# Altium PCB Power Distribution Board Rev6.PcbDoc (part 1 of 2) (continued)
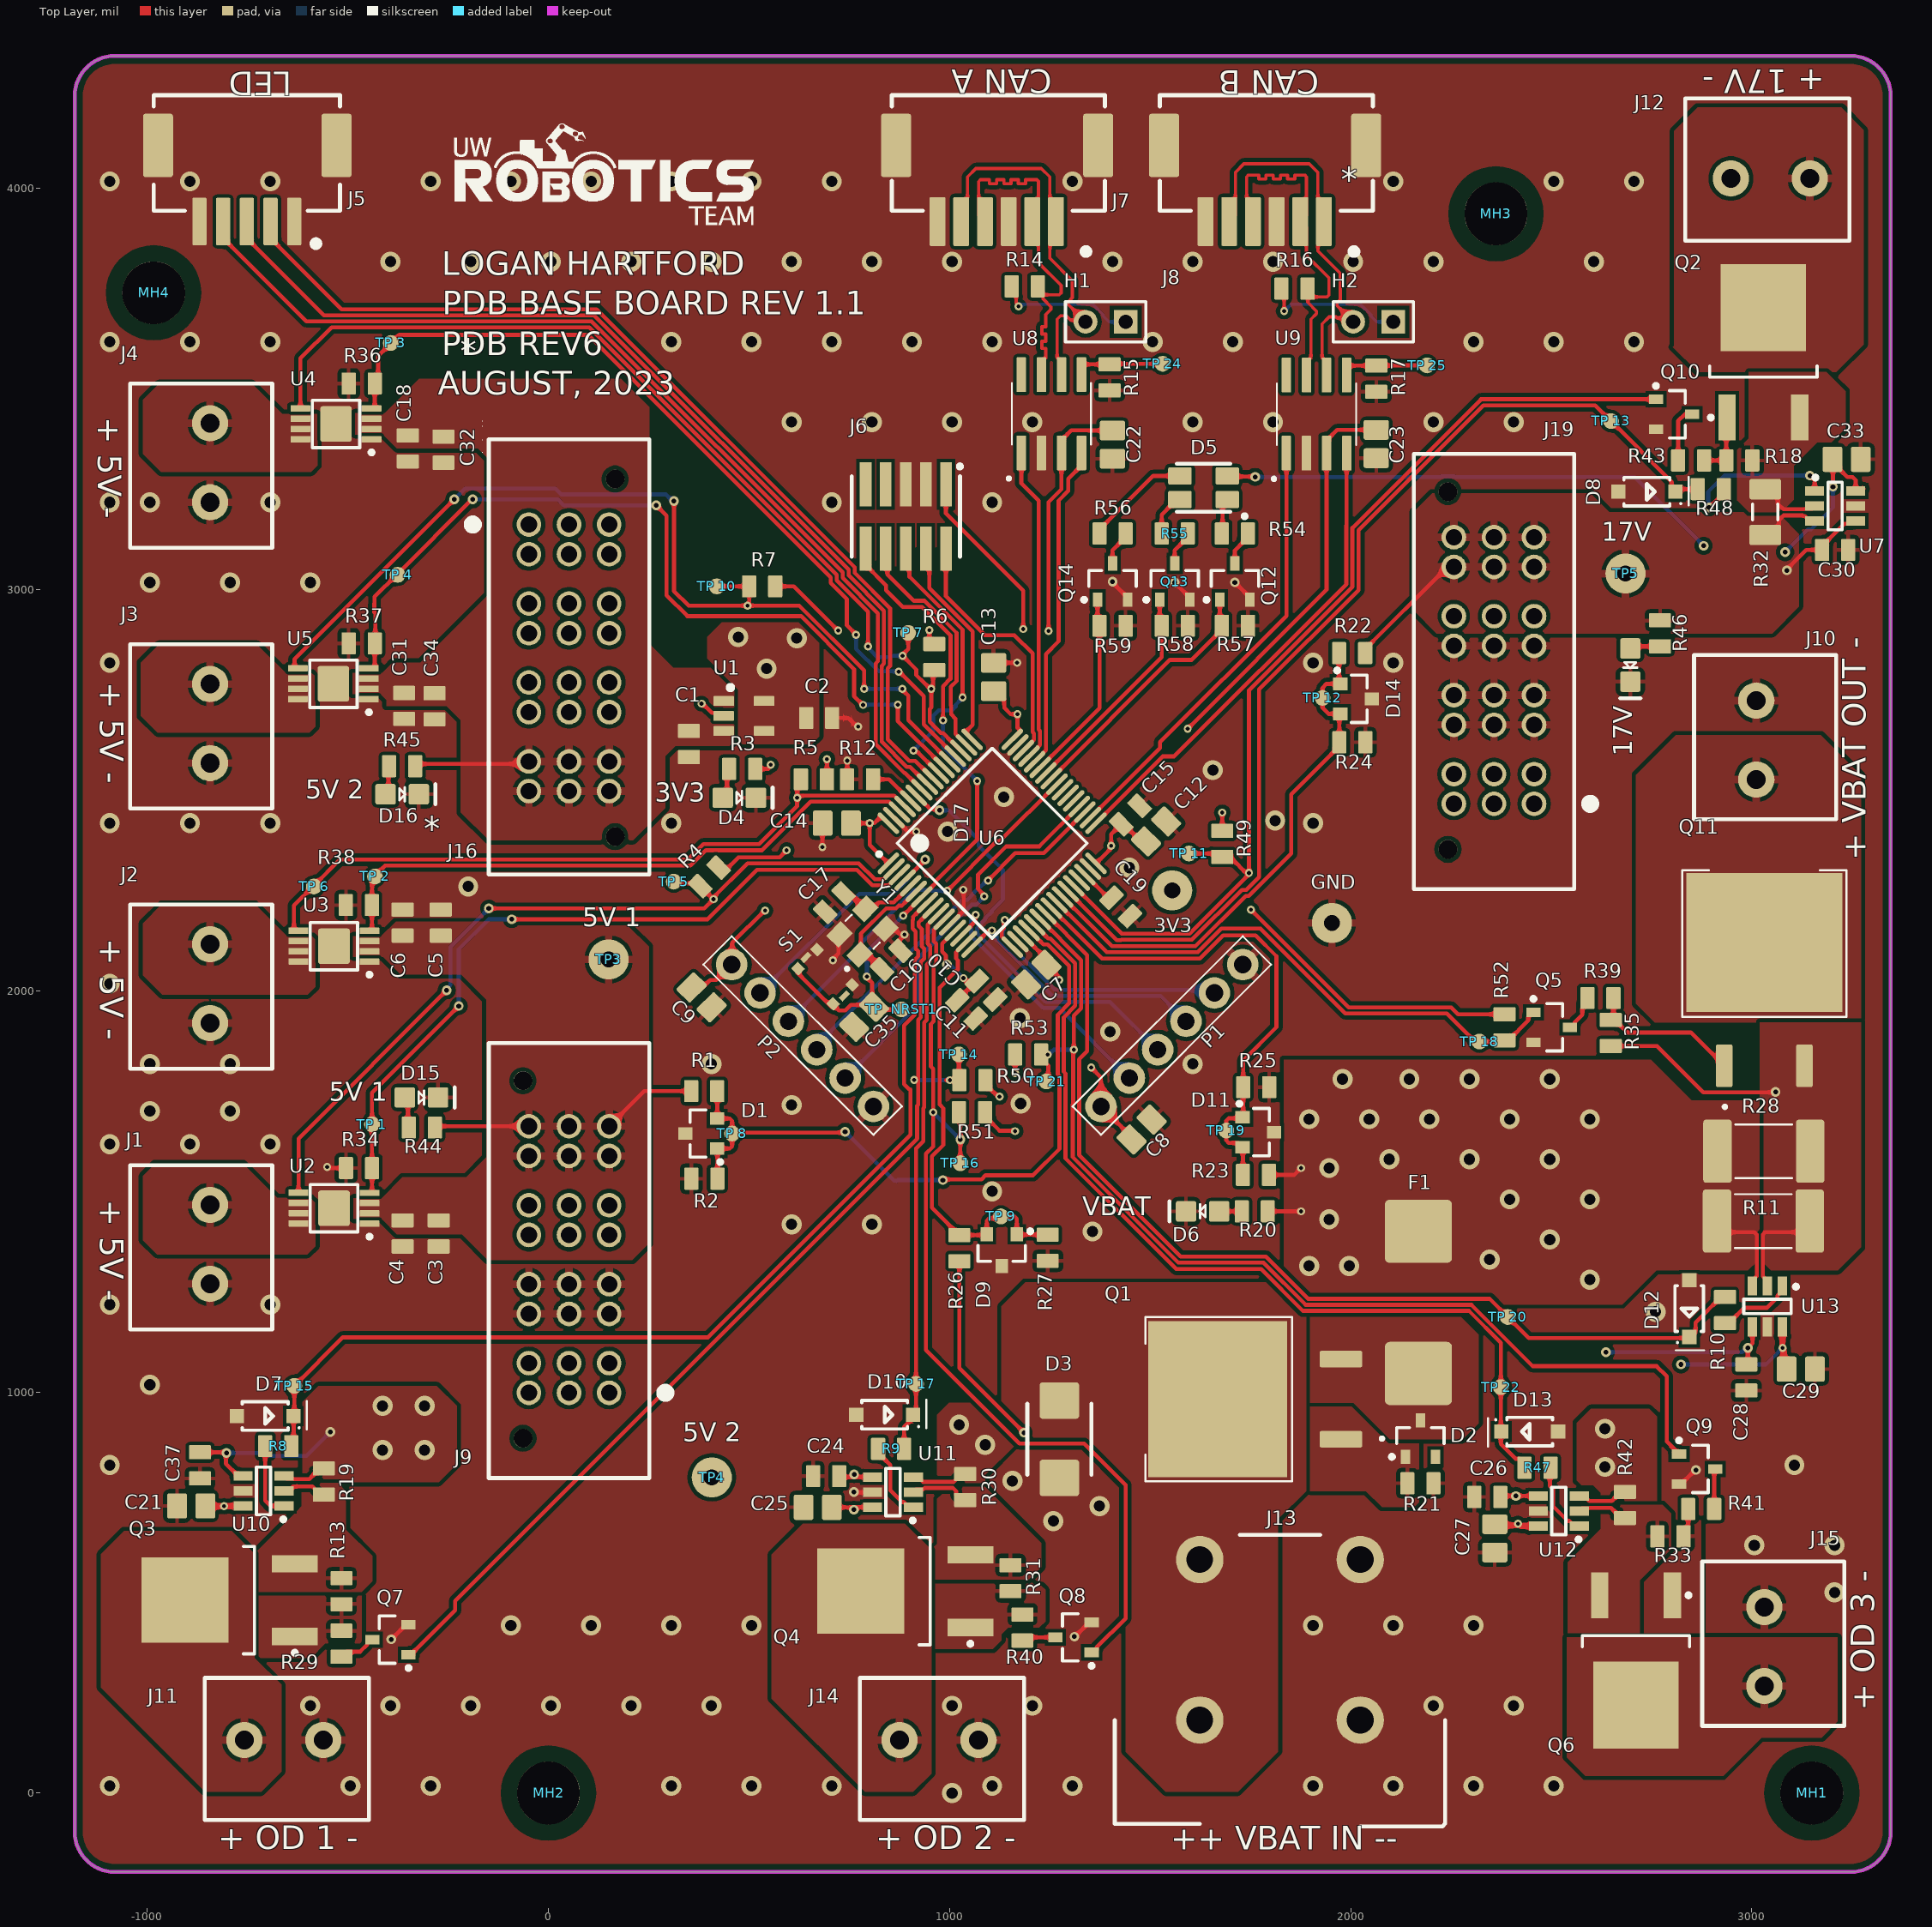
[diagram p0: Top Layer view]
## Components (designator, comment, footprint, x,y, rotation, side; value= is the part's Value field where it differs from the comment) (continued)
R57 "RES_10kΩ_0805_5%" RES0805 1711.3,2910 r0 top value=10kΩ
R58 "RES_10kΩ_0805_5%" RES0805 1561.3,2910 r0 top value=10kΩ
R59 "RES_10kΩ_0805_5%" RES0805 1406.3,2910 r0 top value=10kΩ
S1 "SW_PUSHBUTTON" TACTILE_SWITCH_SMD 689.8,2035.15 r315 top
TP3 "TESTPOINT_LOOP" TESTPOINT_LOOP 150,2078 r0 top
TP4 "TESTPOINT_LOOP" TESTPOINT_LOOP 407.3,787 r0 top
TP5 "TESTPOINT_LOOP" TESTPOINT_LOOP 2685.3,3040 r0 top
"TP 1" "TESTPOINT_1MM_CIRCLE" TESTPOINT_CIRCLE_1MM -439.83,1667 r90 top
"TP 2" "TESTPOINT_1MM_CIRCLE" TESTPOINT_CIRCLE_1MM -432.7,2285 r90 top
"TP 3" "TESTPOINT_1MM_CIRCLE" TESTPOINT_CIRCLE_1MM -393,3615 r90 top
"TP 4" "TESTPOINT_1MM_CIRCLE" TESTPOINT_CIRCLE_1MM -376,3037 r90 top
"TP 5" "TESTPOINT_1MM_CIRCLE" TESTPOINT_CIRCLE_1MM 312.3,2272 r90 top
"TP 6" "TESTPOINT_1MM_CIRCLE" TESTPOINT_CIRCLE_1MM -584.7,2260 r90 top
"TP 7" "TESTPOINT_1MM_CIRCLE" TESTPOINT_CIRCLE_1MM 896.9,2892.17 r90 top
"TP 8" "TESTPOINT_1MM_CIRCLE" TESTPOINT_CIRCLE_1MM 457.9,1644.12 r90 top
"TP 9" "TESTPOINT_1MM_CIRCLE" TESTPOINT_CIRCLE_1MM 1128.15,1437.6 r180 top
"TP 10" "TESTPOINT_1MM_CIRCLE" TESTPOINT_CIRCLE_1MM 419.71,3008.15 r90 top
"TP 11" "TESTPOINT_1MM_CIRCLE" TESTPOINT_CIRCLE_1MM 1596.9,2342.15 r90 top
"TP 12" "TESTPOINT_1MM_CIRCLE" TESTPOINT_CIRCLE_1MM 1929.9,2730.15 r90 top
"TP 13" "TESTPOINT_1MM_CIRCLE" TESTPOINT_CIRCLE_1MM 2649,3420.3 r90 top
"TP 14" "TESTPOINT_1MM_CIRCLE" TESTPOINT_CIRCLE_1MM 1023.42,1841.15 r90 top
"TP 15" "TESTPOINT_1MM_CIRCLE" TESTPOINT_CIRCLE_1MM -633.7,1015 r90 top
"TP 16" "TESTPOINT_1MM_CIRCLE" TESTPOINT_CIRCLE_1MM 1026.9,1570.15 r90 top
"TP 17" "TESTPOINT_1MM_CIRCLE" TESTPOINT_CIRCLE_1MM 916.3,1020 r90 top
"TP 18" "TESTPOINT_1MM_CIRCLE" TESTPOINT_CIRCLE_1MM 2321,1873.38 r90 top
"TP 19" "TESTPOINT_1MM_CIRCLE" TESTPOINT_CIRCLE_1MM 1689.83,1651.51 r90 top
"TP 20" "TESTPOINT_1MM_CIRCLE" TESTPOINT_CIRCLE_1MM 2391.43,1186.86 r90 top
"TP 21" "TESTPOINT_1MM_CIRCLE" TESTPOINT_CIRCLE_1MM 1241.3,1774 r90 top
"TP 22" "TESTPOINT_1MM_CIRCLE" TESTPOINT_CIRCLE_1MM 2374.43,1011.81 r90 top
"TP 24" "TESTPOINT_1MM_CIRCLE" TESTPOINT_CIRCLE_1MM 1531.3,3563 r90 top
"TP 25" "TESTPOINT_1MM_CIRCLE" TESTPOINT_CIRCLE_1MM 2190.3,3559 r90 top
"TP  NRST1" "TESTPOINT_1MM_CIRCLE" TESTPOINT_CIRCLE_1MM 880.34,1953.67 r90 top
U1 "LDO_3.3V_500mA" SOT23-5 487.26,2685.07 r0 top
U2 "BD82006FVJ-MGE2" 8-TSSOP-BJ -534.59,1457.82 r180 top
U3 "BD82006FVJ-MGE2" 8-TSSOP-BJ -534.75,2111.01 r180 top
U4 "BD82006FVJ-MGE2" 8-TSSOP-BJ -529.69,3412.99 r180 top
U5 "BD82006FVJ-MGE2" 8-TSSOP-BJ -536.16,2765.2 r180 top
U6 "STM32F446RET6" STM_LQFP64_N 1106.3,2367.72 r45 top
U7 "MPQ8112GJ-AEC1-Z" MPQ8112GJ-AEC1-Z 3207.93,3208.57 r0 top
U8 "IC_CAN_TRANSCEIVER" SOIC127P600X175-8N 1254.04,3438.46 r90 top
U9 "IC_CAN_TRANSCEIVER" SOIC127P600X175-8N 1914.87,3437.62 r90 top
U10 "MPQ8112GJ-AEC1-Z" MPQ8112GJ-AEC1-Z -710.44,753.15 r180 top
U11 "MPQ8112GJ-AEC1-Z" MPQ8112GJ-AEC1-Z 858.9,750.35 r180 top
U12 "MPQ8112GJ-AEC1-Z" MPQ8112GJ-AEC1-Z 2518.9,703.15 r180 top
U13 "MPQ8112GJ-AEC1-Z" MPQ8112GJ-AEC1-Z 3039.21,1213.15 r270 top
Y1 "CRYSTAL_25MHZ_20PF" XTAL_ECS-250-20-33-CKM-TR 783.09,2147.18 r45 top

## Footprints (in the part's own frame and the unit in brackets; to place one, negate y for a bottom-side part, rotate by r counter-clockwise, add the part's x,y. Pads: shape width x height; smd on the part's side, far side on the other; paste and mask are expansions set on the pad)
5V_BUCK_3D_MODEL [mil]
  body extent -886,-320 906,310, height 1734
8-TSSOP-BJ [mm]
  rrect15% 1.25x0.4 smd: 1(-2.25,0.975) 2(-2.25,0.325) 3(-2.25,-0.325) 4(-2.25,-0.975) 5(2.25,-0.985) 6(2.25,-0.335) 7(2.25,0.315) 8(2.25,0.965)
  rrect15% 2x2.25 smd: 9(0,0)
  silkscreen extent -2.38,-1.5 1.5,1.92, body extent -2.47,-1.5 2.53,1.5, height 1.09
17V_3D_MODEL [mil]
  body extent -1035,-305 1065,325, height 1738
1935161 [mm] "TERM BLK 2POS SIDE ENTRY 5MM PCB"
  round 2.3 hole 1.2: 1(-2.5,0) 2(2.5,0)
  silkscreen extent -5.01,-5.06 5.39,3.94, body extent -5.01,-5.06 5.39,3.94, height 11.41
CAP0805 [mm] "Chip Capacitor, Body 2.0x1.2mm, Height 0.45mm, IPC Medium Density"
  rrect15% 0.9x1.4 smd: 1(-0.825,0) 2(0.825,0)
  body extent -1.1,-0.73 1.1,0.73, height 1.39
CAP2012 [mm]
  rrect20% 1.25x1.6 smd: 1(-0.895,0) 2(0.895,0)
  body extent -1.1,-0.7 1.1,0.75, height 1.41
CONN_6POS_SIP [mm]
  round 2 hole 1.1: 1(0,6.35) 2(0,3.81) 3(0,1.27) 4(0,-1.27) 5(0,-3.81) 6(0,-6.35)
  silkscreen extent -1.27,-7.62 1.27,7.62, body extent -1.27,-7.62 1.27,7.62, height 9.5
"DPAK254P1524X483-4_3N - new" [mm]
  rrect25% 2.7x1.06 smd: 1(-6.4,2.54) 3(-6.4,-2.54)
  rect 8.8x9.9 smd: 2(1.397,0)
  silkscreen extent -9.1,-5.2 5.97,5.2, body extent -7.62,-5.08 7.62,5.08, height 4.83
ESD3V3AP-TP [mm] "TVS DIODE 3.3VWM 7.5VC SOT23"
  rect 0.9x0.8 smd: 1(-1,0.95) 2(-1,-0.95) 3(1,0)
  silkscreen extent -1.33,-1.5 0.7,1.92, body extent -1.32,-1.52 1.32,1.52, height 1.1
FTSH-105-01-F-DV-K-P-TR [mil] "Samtec programming header 10 positions"
  rect 29x110 smd mask+2: 1(-100,-80) 2(-100,80) 3(-50,-80) 4(-50,80) 5(0,-80) 6(0,80) 7(50,-80) 8(50,80) 9(100,-80) 10(100,80)
  silkscreen extent -140,-130 135,100, body extent -125,-175 125,115, height 276
FUSE_3912 [mm] "Chip Fuse, Body 9.8x2.03mm"
  rrect15% 4x4.25 smd: 1(-4.5,0) 2(4.5,0)
  body extent -4.9,-1.53 4.9,1.53, height 3.18
HDR1X2 [mm] "Connector; Header; 2 Position"
  rect 1.5x1.5 hole 0.9: 1(0,0)
  round 1.5 hole 0.9: 2(2.54,0)
  silkscreen extent -1.27,-1.27 3.81,1.27, body extent -1.27,-1.27 3.81,1.27, height 6.35
LED_0805_GREEN [mm] "SMD, 2-Leads, Body 2x1.25mm"
  rrect20% 1.3x1.3 smd: 1(-1.05,0) 2(1.05,0)
  silkscreen extent -0.18,-0.64 2.11,0.64, body extent -1,-0.62 1,0.63, height 1.12
LED_RGB [mm]
  rrect20% 1.1x1.5 smd: 1(-0.75,-1.5) 2(-0.75,1.5) 3(0.75,1.5) 4(0.75,-1.5)
  silkscreen extent -1.92,-2.73 1.53,1.7, body extent -1.4,-1.75 1.4,1.75, height 1.89
MMSZ4683-TP [mm] "SODFL, 2-Leads, Body 1.80x3.90mm, IPC Medium Density"
  rect 0.9x0.9 smd: 1(-1.8,0) 2(1.8,0)
  silkscreen extent -2.64,-0.94 1.45,0.9, body extent -1.95,-0.9 1.95,0.9, height 1.1
MOLEX-5025850570 [mm]
  rrect15% 1.9x4 smd: 0(-8.625,4.82) 0(2.675,4.82)
  rrect15% 0.9x3 smd: 1(0,0) 2(-1.5,0) 3(-3,0) 4(-4.5,0) 5(-6,0)
  silkscreen extent -8.9,-1.6 2.9,8, body extent -8.9,-0.5 2.9,8, height 6.21
MOLEX-5025850670 [mm]
  rrect15% 1.9x4 smd: 0(-10.125,4.82) 0(2.675,4.82)
  rrect15% 1x3.1 smd: 1(0,0) 2(-1.5,0) 3(-3,0) 4(-4.5,0) 5(-6,0) 6(-7.5,0)
  silkscreen extent -10.4,-2.1 3.1,8, body extent -10.25,-0.62 3.05,7.88, height 6.41
MOUNTING_HOLE_5/38#1 [mm] "Meant to use with Mcmaster-carr PN: 91443A250"
  round 3.97 hole 3.97 unplated mask+0.3: 0(1.1,0.82)
MOUNTING_HOLE_5/38#2 [mm] "Meant to use with Mcmaster-carr PN: 91443A250"
  round 3.97 hole 3.97 unplated mask+0.3: 0(-0.008,-3.193)
MOUNTING_HOLE_5/38#3 [mm] "Meant to use with Mcmaster-carr PN: 91443A250"
  round 3.97 hole 3.97 unplated mask+0.3: 0(-43.708,-6.905)
MOUNTING_HOLE_5/38#4 [mm] "Meant to use with Mcmaster-carr PN: 91443A250"
  round 3.97 hole 3.97 unplated mask+0.3: 0(-4.59,1.51)
MPQ8112GJ-AEC1-Z [mm] "SOT23, 6-Leads, Body 2.90x2.40mm, Pitch 0.95mm, IPC Medium Density"
  rect 1.2x0.6 smd: 1(-1.3,0.95) 2(-1.3,0) 3(-1.3,-0.95) 4(1.3,-0.95) 5(1.3,0) 6(1.3,0.95)
  silkscreen extent -1.37,-1.5 0.45,1.92, body extent -1.28,-1.5 1.28,1.5, height 1
MPS-04-7.70-01-L-V [mm]
  round 1.56 hole 1.04: 1(6.56,-2.54) 1(6.56,0) 1(6.56,2.54) 1(8.44,-2.54) 1(8.44,0) 1(8.44,2.54) 2(1.56,2.54) 2(1.56,0) 2(1.56,-2.54) 2(3.44,2.54) 2(3.44,0) 2(3.44,-2.54) 3(-3.44,2.54) 3(-3.44,0) 3(-3.44,-2.54) 3(-1.56,2.54) 3(-1.56,0) 3(-1.56,-2.54) 4(-8.44,-2.54) 4(-8.44,0) 4(-8.44,2.54) 4(-6.56,-2.54) 4(-6.56,0) 4(-6.56,2.54)
  round 1.19 hole 1.19 unplated: ""(-11.32,-2.92) ""(11.32,-2.92)
  silkscreen extent -13.72,-5.08 13.83,6.35, body extent -13.72,-5.08 13.83,5.08, height 10.16
RD3P130SPFRATL [mm] "MOSFET P-CH 100V 13A TO252"
  rect 2.9x1.1 smd: 1(-4.65,2.3) 3(-4.65,-2.3)
  rect 5.5x5.4 smd: 2(2.3,0)
  silkscreen extent -4.77,-3.4 -1.4,3.45, body extent -4.4,-3.4 5.6,3.4, height 2.3
RES0805 [mm] "Chip Resistor, 2-Leads, Body 2.00x1.25mm, IPC High Density"
  rrect15% 0.9x1.4 smd: 1(-0.825,0) 2(0.825,0)
  body extent -1,-0.62 1,0.63, height 0.61
RES1206 [mm] "Chip Resistor, Body 3.2x1.6mm, IPC Medium Density"
  rrect20% 1.3x2 smd: 1(-1.45,0) 2(1.45,0)
  silkscreen extent -0.5,-0.8 0.5,0.8, body extent -1.6,-0.8 1.6,0.8, height 0.61
RESC6532X75N [mm]
  rrect20% 1.8x4 smd: 1(-2.935,0) 2(2.935,0)
  silkscreen extent -1.79,-1.7 1.79,1.7, body extent -3.17,-1.6 3.17,1.6, height 0.65
SOIC127P600X175-8N [mm]
  rrect15% 2.2x0.6 smd: 1(-2.475,1.905) 2(-2.475,0.635) 3(-2.475,-0.635) 4(-2.475,-1.905) 5(2.475,-1.905) 6(2.475,-0.635) 7(2.475,0.635) 8(2.475,1.905)
  silkscreen extent -4.2,-2.51 1.95,2.8, body extent -3,-2.45 3,2.45, height 1.75
SOT23-3 [mm] "SOT23, 3-Leads, Body 2.90x2.30mm, Pitch 0.95mm, IPC Medium Density"
  rect 0.9x0.6 smd: 1(-1.15,0.95) 2(-1.15,-0.95) 3(1.15,0)
  silkscreen extent -1.27,-1.5 0.7,1.92, body extent -1.3,-1.5 1.3,1.5, height 1.1
SOT23-5 [mm]
  rrect15% 1.3x0.63 smd: 1(-1.279,0.95) 2(-1.279,0) 3(-1.279,-0.95) 4(1.279,-0.95) 5(1.279,0.95)
  silkscreen extent -0.99,1.66 -0.71,1.94, body extent -1.4,-1.45 1.4,1.45, height 1.2
STM_LQFP64_N [mm] "Thin QFP, 64-Leads, Body 10x10mm, Pitch 0.5mm, IPC Medium Density"
  oval 1.8x0.3 smd mask+0.05: 1(-5.55,3.75) 2(-5.55,3.25) 3(-5.55,2.75) 4(-5.55,2.25) 5(-5.55,1.75) 6(-5.55,1.25) 7(-5.55,0.75) 8(-5.55,0.25) 9(-5.55,-0.25) 10(-5.55,-0.75) 11(-5.55,-1.25) 12(-5.55,-1.75) 13(-5.55,-2.25) 14(-5.55,-2.75) 15(-5.55,-3.25) 16(-5.55,-3.75) 33(5.55,-3.75) 34(5.55,-3.25) 35(5.55,-2.75) 36(5.55,-2.25) 37(5.55,-1.75) 38(5.55,-1.25) 39(5.55,-0.75) 40(5.55,-0.25) 41(5.55,0.25) 42(5.55,0.75) 43(5.55,1.25) 44(5.55,1.75) 45(5.55,2.25) 46(5.55,2.75) 47(5.55,3.25) 48(5.55,3.75)
  oval 0.3x1.8 smd mask+0.05: 17(-3.75,-5.55) 18(-3.25,-5.55) 19(-2.75,-5.55) 20(-2.25,-5.55) 21(-1.75,-5.55) 22(-1.25,-5.55) 23(-0.75,-5.55) 24(-0.25,-5.55) 25(0.25,-5.55) 26(0.75,-5.55) 27(1.25,-5.55) 28(1.75,-5.55) 29(2.25,-5.55) 30(2.75,-5.55) 31(3.25,-5.55) 32(3.75,-5.55) 49(3.75,5.55) 50(3.25,5.55) 51(2.75,5.55) 52(2.25,5.55) 53(1.75,5.55) 54(1.25,5.55) 55(0.75,5.55) 56(0.25,5.55) 57(-0.25,5.55) 58(-0.75,5.55) 59(-1.25,5.55) 60(-1.75,5.55) 61(-2.25,5.55) 62(-2.75,5.55) 63(-3.25,5.55) 64(-3.75,5.55)
  silkscreen extent -5.67,-4.25 4.25,4.7, body extent -6,-5.99 6,6.01, height 1.56
TACTILE_SWITCH_SMD [mm]
  rrect15% 0.65x0.6 smd: 1(-1.575,0.85) 2(1.575,0.85) 3(-1.575,-0.85) 4(1.575,-0.85)
  rrect15% 0.35x0.7 smd: 5(-1.725,0) 6(1.725,0)
  body extent -1.75,-1.35 1.75,1.35, height 1.6
TESTPOINT_CIRCLE_1MM [mm]
  round 1 smd: 1(0,0)
TESTPOINT_LOOP [mm]
  round 2.54 hole 1.02: 1(0,0)
  body extent -1.27,-1.27 1.27,1.27, height 4.57
TVS_DIODE_BIDIR_SMB [mm] "DO-214AA, SMB"
  rrect15% 2.3x2.5 smd: 1(-2.45,0) 2(2.45,0)
  silkscreen extent -2.25,-2.03 2.25,2.03, body extent -2.7,-1.8 2.7,1.8, height 2.27
VP0265840000G [mm] "PCB TERMINAL BLOCKS RISING CLAMP"
  round 3 hole 1.7: 1(-5.08,5.08) 1(5.08,5.08) 2(-5.08,-5.08) 2(5.08,-5.08)
  silkscreen extent -11.81,-10.46 6.65,10.46, body extent -11.65,-10.46 6.65,10.46, height 28.5
XTAL_ECS-250-20-33-CKM-TR [mm]
  rect 1.3x1.1 smd: 1(-1.15,-0.9) 2(1.15,-0.9) 3(1.15,0.9) 4(-1.15,0.9)
  silkscreen extent -2.45,-1.25 0.27,1.25, body extent -1.62,-1.25 1.58,1.25, height 0.8

## Part data
3V3 GND TP3 TP4 TP5: "TESTPOINT THRUHOLE", Manufacturer 1="Keystone Electronics", Manufacturer Part Number 1=5002, Package/Footprint=TH, Supplier Part Number 1=36-5002-ND, Mounting Type=TH, Supplier 1=Digi-Key
C1 C2 C4 C6 C11 C18 C24 C26 C28 C30 C31 C37: "CAP CER 1UF 100V X7S 0805", Package=0805, Supplier Part Number 1=490-14464-1-ND, Voltage Rating=100V, Mounting Type=SMD, Supplier 1=Digi-Key
C3 C5 C32 C34: "CAP CER 10UF 16V X5R 0805", Dielectric=X5R, Manufacturer 1=Yageo, Manufacturer Part Number 1=CC0805KKX5R7BB106, Package/Footprint=0805, Supplier Part Number 1=311-1865-1-ND, Voltage Rating=16V, Mounting Type=SMD, Supplier 1=Digi-Key
C7 C8 C9 C12 C13 C14 C21 C22 C23 C25 C27 C29 C33 C35: "CAP CER 0.1UF 50V X7R 0805", Dielectric=X7R, LCSC Part #=C49678, Manufacturer 1="Murata Electronics", Manufacturer Part Number 1=GCM21BR71H104KA37K, Package/Footprint=0805, Supplier Part Number 1=490-8049-1-ND, Voltage Rating=50V, Mounting Type=SMD, Supplier 1=Digi-Key
C10: "CAP CER 0.01uF 100V X7R 0805", Dielectric=X7R, LCSC Part #=C1710, Manufacturer 1="AVX Corporation", Manufacturer Part Number 1=08051C103KAT2A, Package=0805, Supplier Part Number 1=478-1358-1-ND, Voltage Rating=100V, Mounting Type=SMD, Supplier 1=Digi-Key
C15 C19: "CAP CER 4.7UF 16V X5R 0805", Dielectric=X5R, LCSC Part #=C1779, Manufacturer 1="Samsung Electro-Mechanics", Manufacturer Part Number 1=CL21A475KOFNNNE, Package=0805, Supplier Part Number 1=1276-1065-1-ND, Voltage Rating=16V, Mounting Type=SMD, Supplier 1=Digi-Key
C16 C17: "CERAMIC CAP MLCC HIGH-Q 125C", Manufacturer="Murata Electronics", Manufacturer Part Number=GQM2195C2E140JB12D, Package=0805, Supplier Part Number 1=490-GQM2195C2E140JB12DCT-ND, Voltage Rating=250V, Mounting Type=SMD, Supplier 1=Digi-Key
D1 D9 D11 D14: "TVS DIODE 3.3VWM 7.5VC SOT23", Manufacturer 1="Micro Commercial Co", Manufacturer Part Number 1=ESD3V3AP-TP, Package/Footprint=SOT-23, Supplier Part Number 1=ESD3V3AP-TPMSCT-ND, Voltage - Breakdown (Min)=5V, Voltage - Clamping (Max) @ Ipp=7.5V, Voltage - Reverse Standoff (Typ)=3.3V, Mounting Type=SMD, Supplier 1=Digi-Key
D2: "DIODE ZENER 51V 250MW TO236AB", Forward Voltage=0.9V, Manufacturer 1="Nexperia USA Inc.", Manufacturer Part Number 1=BZX84-C51,215, Package/Case=SOT-23-3, Supplier Part Number 1=1727-5037-1-ND, Working Voltage=51V, Supplier 1=Digi-Key
D3: "TVS DIODE 51VWM 82.4VC DO214AA", Manufacturer 1=Littelfuse, Manufacturer Part Number 1=SMBJ26CA, Package/Footprint=SMB, Supplier Part Number 1=SMBJ51CALFCT-ND, Voltage - Breakdown (Min)=56.7V, Voltage - Clamping (Max) @ Ipp=82.4V, Voltage - Reverse Standoff (Typ)=51V, Mounting Type=SMD, Supplier 1=Digi-Key, Supplier 2=Digi-Key, Supplier Part Number 2=SMBJ51CA-FDIDKR-ND
D4 D6 D15 D16 D17: "LED GREEN DIFFUSED 0805 SMD", Forward Voltage Drop=2.2V, Manufacturer 1=OSRAM, Manufacturer Part Number 1="LG R971-KN-1", Package/Footprint=0805, Supplier Part Number 1=475-1410-1-ND, Mounting Type=SMD, Supplier 1=Digi-Key, Supplier 2="Future Electronics", Supplier Part Number 2=1152237
D5: "LED RGB DIFFUSED 4PLCC SMD", Color=Blue,Green,Red, Forward Voltage=3.1V, Lens Color=White, Manufacturer 1=Broadcom, Manufacturer Part Number 1=ASMB-MTB1-0B3A2, Package/Footprint=4-PLCC, Supplier Part Number 1=516-ASMB-MTB1-0B3A2CT-ND, Test Current=20mA, Dominant Wavelength=470nm, Lens Style=Round, Lens Transparency=Diffused, Luminous Intensity=350mcd, Mounting Type=SMD, Number of Pins=4, Supplier 1=Digi-Key, Viewing Angle=115°
D7 D8 D10 D12 D13: "DIODE ZENER 3V 500MW SOD123", Forward Voltage=0.95V, Manufacturer 1="Micro Commercial Co", Manufacturer Part Number 1=MMSZ4683-TP, Package/Case=SOD-123, Supplier Part Number 1=MMSZ4683-TPMSCT-ND, Working Voltage=3V, Supplier 1=Digi-Key
F1: "FUSE SMT 3912 ENH BRK 250V 30A", Current Rating=30A, Manufacturer 1="Bel Fuse Inc.", Manufacturer Part Number 1=0678H9300-02, Package/Footprint=3912, Supplier Part Number 1=507-2254-1-ND, Mounting Type=SMD, Supplier 1=Digi-Key, Verified=No
H1 H2: "HEADER 2X1", Manufacturer 1="TE Connectivity", Manufacturer Part Number 1=87220-2, Package/Footprint=TH, Supplier Part Number 1=A26542-ND, Mount="Through Hole", Mounting Type=TH, Supplier 1=Digi-Key
J1 J2 J3 J4 J10 J11 J12 J14 J15: "TERM BLK 2POS SIDE ENTRY 5MM", Current=18A, Manufacturer 1="Phoenix Contact", Manufacturer Part Number 1=1935161, Max Current Rating=16A, Package/Footprint=SMD, Supplier Part Number 1=277-1667-ND, Voltage=300V, Mounting Type=TH, Supplier 1=Digi-Key
J5: "CONN HEADER SMD RIGHT ANGLE 1.5MM PITCH", Current Rating=2A, Manufacturer 1=Molex, Manufacturer Part Number 1=5025850570, Package/Footprint=SMD, Supplier Part Number 1=WM14469CT-ND, Family=CLIK-Mate, Mounting Type=SMD, Orientation="Right Angle", Supplier 1=Digi-Key
J6: "CONN HEADER SMD 10POS 1.27MM", Manufacturer 1=Samtec, Manufacturer Part Number 1=FTSH-105-01-F-DV-K, Supplier Part Number 1=SAM8796-ND, Mounting Type=SMD, Pitch=1.27mm, Supplier 1=Digi-Key
J7 J8: "CONN HEADER SMD RIGHT ANGLE 1.5 MM PITCH", Manufacturer 1=Molex, Manufacturer Part Number 1=5025850670, Package/Footprint=SMD, Supplier Part Number 1=WM12832CT-ND, Family=CLIK-Mate, Mounting Type=SMD, Supplier 1=Digi-Key
J9 J16 J19: library part CON_4POS_POWERBLADE_FEM, "VERTICAL MINI-POWER SKT", Manufacturer 1="Samtec Inc.", Manufacturer Part Number 1=MPS-04-7.70-01-L-V, Package/Footprint="PowerStrip™ 30 MPS", Supplier Part Number 1=SAM9721-ND, Mounting Type=TH, Supplier 1=Digi-Key
J13: library part CON_2POS_SCREW_TERM_65A, "PCB TERMINAL BLOCKS RISING CLAMP", Manufacturer 1="Amphenol Anytek", Manufacturer Part Number 1=VP0265840000G, Package/Footprint=TERMINAL, Supplier Part Number 1=1818-VP0265840000G-ND, Mounting Type=TH, Supplier 1=Digi-Key
P1 P2: library part CONN_SIP_6, "Header, 6-Pin, SIP"
Q1 Q11: "MOSFET P-CH 100V 38A D2PAK", Current - Continous Drain=38A, Manufacturer 1="Vishay Siliconix", Manufacturer Part Number 1=IRF5210STRLPBF, Package/Footprint=D2Pak, Supplier Part Number 1=IRF5210STRLPBFCT-ND, Id=120A, Mounting Type=SMD, Supplier 1=Digi-Key, Vdss=100V, Verified=No, Vgs (Max)=±15V
Q2 Q3 Q4 Q6: "MOSFET P-CH 100V 13A TO252", Current - Continous Drain=13A, Manufacturer 1="Rohm Semiconductor", Manufacturer Part Number 1=RD3P130SPFRATL, Package/Footprint=D2Pak, Supplier Part Number 1=RD3P130SPFRATLCT-ND, Mounting Type=SMD, Supplier 1=Digi-Key, Vdss=100V, Verified=No, Vgs (Max)=±20V
Q5 Q7 Q8 Q9 Q10 Q12 Q13 Q14: "N-Channel 60 V 340mA (Ta) 350mW (Ta) Surface Mount SOT-23", Manufacturer 1="ANBON SEMICONDUCTOR (INT'L) LIMITED", Manufacturer Part Number 1=2N7002E, Package/Footprint=SOT-23, Supplier Part Number 1=4530-2N7002ECT-ND, Id=340mA, Mounting Type=SMD, Supplier 1=Digi-Key, Vdss=60V, Verified=No, Vgs (Max)=±20V
R1 R26: library part RES_2.2kΩ_0805_5%, "RES 2.2K OHM 5% 1/8W 0805", Manufacturer 1="TE Connectivity Passive Product", Manufacturer Part Number 1=CRG0805F2K2, Package=0805, Supplier Part Number 1=A106060CT-ND, Tolerance=1%, Supplier 1=Digi-Key
R2 R27 R46: "RES 3.3K OHM 1% 1/8W 0805", LCSC Part #=C26010, Manufacturer 1="Vishay Dale", Manufacturer Part Number 1=CRCW06033K30FKEA, Package=0805, Supplier Part Number 1=541-3.30KHCT-ND, Mounting Type=SMD, Supplier 1=Digi-Key
R3: "RES 220 OHM 5% 1/2W 0805", LCSC Part #=C17557, Manufacturer 1="Panasonic Electronic Components", Manufacturer Part Number 1=ERJ-P06J221V, Package=0805, Supplier Part Number 1=P220ADCT-ND, Mounting Type=SMD, Supplier 1=Digi-Key
R4 R5 R6 R7 R12 R20 R29 R34 R36 R37 R38 R39 R40 R41 R43 R49 R50 R51 R52 R53 R57 R58 R59: "RES 10K OHM 5% 1/8W 0805", LCSC Part #=C17414, Manufacturer 1="Panasonic Electronic Components", Manufacturer Part Number 1=ERJ-6GEYJ103V, Package/Footprint=0805, Supplier Part Number 1=P10KACT-ND, Mounting Type=SMD, Supplier 1=Digi-Key
R8 R9 R10 R47 R48: "RES 6.04K OHM 1% 1/8W 0805", Manufacturer 1=Yageo, Manufacturer Part Number 1=RC0805FR-076K04L, Package/Footprint=0805, Supplier Part Number 1=311-6.04KCRCT-ND, Mounting Type=SMD, Supplier 1=Digi-Key
R11 R28: "RES 4M OHM 1% 5W 2512", Manufacturer 1="KOA Speer Electronics, Inc.", Manufacturer Part Number 1=TLR3APDTE4L00F75, Power=5W, Supplier Part Number 1=2019-TLR3APDTE4L00F75CT-ND, Supplier 1=Digi-Key
R13 R18 R31 R33 R35: "RES 2.7K OHM 1% 1/8W 0805", LCSC Part #=C17530, Manufacturer 1="Panasonic Electronic Components", Manufacturer Part Number 1=ERJ-6ENF2701V, Package=0805, Supplier Part Number 1=P2.70KCCT-ND, Mounting Type=SMD, Supplier 1=Digi-Key
R14 R16: "RES 120 OHM 1% 1/8W 0805", LCSC Part #=C17437, Manufacturer 1=Vishay, Manufacturer Part Number 1=CRCW0805120RFKEA, Package/Footprint=0805, Supplier Part Number 1=541-120CCT-ND, Mounting Type=SMD, Supplier 1=Digi-Key
R15 R17: "RES 0 OHM JUMPER 1/8W 0805", LCSC Part #=C17477, Manufacturer 1="Panasonic Electronic Components", Manufacturer Part Number 1=ERJ-6GEY0R00V, Package/Footprint=0805, Supplier Part Number 1=P0.0ACT-ND, Mounting Type=SMD, Supplier 1=Digi-Key
R19 R30 R42: "RES 0.024 OHM 1% 3/4W 0805", Manufacturer 1="Thin Film Technology Corp.", Manufacturer Part Number 1=D1WEL0805MR024F-T5, Package=0805, Power=0.75W, Supplier Part Number 1=4463-D1WEL0805MR024F-T5CT-ND, Supplier 1=Digi-Key
R21 R25: "RES 1K OHM 1% 1/8W 0805", LCSC Part #=C17513, Manufacturer 1=Yageo, Manufacturer Part Number 1=RC0805FR-071KL, Package=0805, Supplier Part Number 1=311-1.00KCRCT-ND, Mounting Type=SMD, Supplier 1=Digi-Key
R22: library part RES_5.6kΩ_0805_5%, "RES 5.6K OHM 5% 1/8W 0805", Manufacturer 1=Yageo, Manufacturer Part Number 1=RC0805JR-075K6L, Package=0805, Supplier Part Number 1=311-5.6KARCT-ND, Tolerance=5%, Supplier 1=Digi-Key
R23: "RES 15K OHM 1% 1/8W 0805", Manufacturer 1="Vishay Dale", Manufacturer Part Number 1=CRCW080515K0FKEA, Supplier Part Number 1=541-15.0KCCT-ND, Supplier 1=Digi-Key
R24: library part RES_1.2kΩ_0805_5%, "RES 1.2K OHM 5% 1/8W 0805", Manufacturer 1=Yageo, Manufacturer Part Number 1=RC0805JR-071K2L, Package=0805, Supplier Part Number 1=311-1.2KARCT-ND, Tolerance=5%, Supplier 1=Digi-Key
R32: "RES 0.015 OHM 1% 1/2W 1206", Manufacturer 1=Yageo, Manufacturer Part Number 1=CSR1206FK15L0, Power=0.5W, Supplier Part Number 1=CSR1206FK15L0CT-ND, Supplier 1=Digi-Key
R44 R45: "RES 510K OHM 5% 1/8W 0805", Manufacturer 1="Stackpole Electronics Inc", Manufacturer Part Number 1=RMCF0805JT510K, Package/Footprint=0805, Supplier Part Number 1=RMCF0805JT510KCT-ND, Mounting Type=SMD, Supplier 1=Digi-Key
R54: "RES 402 OHM 1% 1/8W 0805", Manufacturer 1="Rohm Semiconductor", Manufacturer Part Number 1=MCR10ERTF2940, Package/Footprint=0805, Supplier Part Number 1=RHM294CHCT-ND, Mounting Type=SMD, Supplier 1=Digi-Key
R55 R56: "RES 402 OHM 1% 1/8W 0805", Manufacturer 1=YAGEO, Manufacturer Part Number 1=RC0805FR-07191RL, Package/Footprint=0805, Supplier Part Number 1=311-191CRCT-ND, Mounting Type=SMD, Supplier 1=Digi-Key
S1: "SMT 3.0 X 2.6 MM TACT SWITCH WIT", Manufacturer 1="Würth Elektronik", Manufacturer Part Number 1=435151014824, Supplier Part Number 1=732-435151014824CT-ND, Supplier 1=Digi-Key
"TP 1" "TP 2" "TP 3" "TP 4" "TP 5" "TP 6" "TP 7" "TP 8" "TP 9" "TP 10" "TP 11" "TP 12" "TP 13" "TP 14" "TP 15" "TP 16" "TP 17" "TP 18" "TP 19" "TP 20" "TP 21" "TP 22" "TP 24" "TP 25" "TP  NRST1": "TESTPOINT 1MM CIRCLE"
U1: "IC REG LINEAR 3.3V 500MA SOT23-5", Input Voltage (Max)=5.25V, Manufacturer 1="RICOH Electronic Devices Co., LTD.", Manufacturer Part Number 1=RP111N331B-TR-FE, Operating Temperature="-40°C - 85°C", Output Current=500mA, Output Voltage (Fixed)=3.3V, Package/Footprint=SOT-25, Supplier Part Number 1=2129-RP111N331B-TR-FECT-ND, Voltage Dropout (Max)=0.32V, Mounting Type=SMD, Supplier 1=Digi-Key
U2 U3 U4 U5: "IC PWR SWITCH N-CHAN 1:1 8TSSOP", Manufacturer 1="Rohm Semiconductor", Package/Footprint=8-TSSOP, Supplier Part Number 1=BD82006FVJ-MGE2CT-ND, Manufacturer Part Number 1=BD82006FVJ-MGE2, Mounting Type=SMD, Rds On (Typ)=70mOhm, Supplier 1=Digi-Key
U6: "IC MCU 32BIT 512KB FLASH 64LQFP", Manufacturer 1=STMicroelectronics, Manufacturer Part Number 1=LF80CDT-TR, Supplier Part Number 1=497-15376-ND, Supplier 1=Digi-Key
U7 U10 U11 U12 U13: "60V, HIGH-SIDE CURRENT-SENSE AMP", Manufacturer="Monolithic Power Systems Inc.", Supplier Part Number=1589-MPQ8112GJ-AEC1-ZCT-ND, Gain=50, Manufacturer Part Number=MPQ8112GJ-AEC1-Z, Supplier=Digi-Key, Supplier 1=Digi-Key, Supplier Part Number 1=1589-MPQ8112GJ-AEC1-ZCT-ND, Vmax=60V, Vmin=2.7V
U8 U9: "IC TRANSCEIVER 1/1 8SOIC", Manufacturer 1=Maxim, Manufacturer Part Number 1=TCAN334GDR, Package/Footprint=14-SOIC, Supplier Part Number 1=296-49940-1-ND, Mounting Type=SMD, Supplier 1=Digi-Key
Y1: "CRYSTAL 25.0000MHZ 20PF SMD", Frequency=25MHz, Load Capacitance=20pF, Manufacturer 1="ECS Inc.", Manufacturer Part Number 1=ECS-250-20-33-CKM-TR, Package/Footprint=SMD, Supplier Part Number 1=XC1817CT-ND, Mounting Type=SMD, Supplier 1=Digi-Key

## Via types
v1: diameter 50, hole 28, Top Layer to Bottom Layer, tented both sides, 162 vias
v2: diameter 20, hole 10, Top Layer to Bottom Layer, tented both sides, 67 vias
v3: diameter 24, hole 12, Top Layer to Bottom Layer, tented both sides, 36 vias
v4: diameter 24, hole 12, Top Layer to Bottom Layer, 2 vias

## Nets (pads, with @x,y where several pads share a name; then routed paths per layer and width w, separated by ;. In a path a pad name is that pad's centre, name@x,y a point inside that pad or via, vN(x,y) a via of type N, cw(c..) or ccw(c..) an arc to the next point about the centre after c; other vN are vias at no path point)
3V3: 3V3.1 C2.2 C7.2 C8.2 C9.2 C10.2 C11.2 C12.2 C13.2 C14.2 C15.2 C22.2 C23.2 J6.1 P1.1 P2.1 R3.2 R4.2 R5.2 R6.2 R7.2 R49.2 R50.2 R51.2 R52.2 R53.2 U1.4 U1.5 U6.1 U6.13 U6.19 U6.32 U6.48 U6.64 U8.3 U9.3 | length 5104.3
  Top Layer w10: C9.2@357.04,2008.48 384.77,2008.48 403.12,2026.84 418.32,2026.84 458.18,2066.7 458.18,2119.43 538.75,2200 v2(540,2200) ; R4.2@424.26,2306.97 427.07,2304.16 445.05,2304.16 473.5,2332.61 576.16,2332.61 v2(593.9,2350.35) ; R3.2@515.38,2553.15 548.04,2553.15 548.04,2555.67 553.9,2561.53 v2(553.9,2563.15) ; R7.2@565.38,3008.15 611.76,3008.15 721.8,2898.11 v2(722.39,2898.11) ; R5.2@694.38,2527.15 v2(694.38,2577.57) ; C14.2@754.13,2417.82 v2(801.05,2417.83) ; U6.1@847.4,2317.61 801.05,2363.95 v2(801.05,2417.83) ; U6.64@847.4,2417.83 830.64,2434.58 829.46,2434.58 812.71,2417.83 v2(801.05,2417.83) ; v2(949.54,2899.39) 949.54,2876.77 R6.2@961.9,2864.41 ; J6.1@990.9,3262.15 990.9,3190.03 1183.67,2997.26 v2(1183.67,2901.7) ; v3(993.53,2065.23) 990.85,2067.91 990.85,2088.02 981.63,2097.23 981.63,2117.29 1014.43,2150.08 U6.13@1014.43,2150.57 ; C11.2@1019.3,1976.63 1019.87,1976.63 C10.2@1063.48,2020.23 ; v2(1034.53,2031.77) 1046.06,2020.23 C10.2@1063.48,2020.23 ; C10.2@1067.36,2024.12 C10.2@1063.48,2020.23 ; R51.2@1088.38,1697.15 1088.38,1687.31 1124.54,1651.15 1162.27,1651.15 v2(1163.42,1650) ; R50.2@1089.38,1777.15 1089.38,1767.31 1118.77,1737.91 1122.62,1737.91 v2(1124.54,1736) ; C13.2@1109.9,2746.91 1116.79,2746.91 1136.39,2727.31 1136.39,2705.18 1152.17,2689.4 v2(1169.25,2689.4) 1169.25,2656.03 1176.94,2648.33 1176.94,2647.15 U6.48@1156.41,2626.62 ; v2(1163.42,1794.67) R53.2@1163.42,1841.15 ; U6.19@1184.25,2136.65 1241.61,2079.29 1241.61,2064.7 1274.54,2031.77 1274.54,2028.39 v2(1273.3,2027.15) ; v2(1246.9,2897.15) 1246.9,3218.15 1279.04,3250.29 U8.3@1279.04,3341.02 1279.04,3372.52 1303.85,3397.33 1345.98,3397.33 1346.55,3396.76 C22.2@1406.14,3396.76 ; v2(1353.19,1808.56) 1377.48,1784.28 P1.1@1377.48,1711.73 1453.98,1635.22 C8.2@1453.98,1629.23 ; U6.32@1365.2,2317.61 1402.9,2355.3 v2(1402.9,2361.15) 1402.9,2390.15 C15.2@1427.93,2415.18 1434.21,2415.18 1477.16,2372.23 C12.2@1489.98,2372.23 ; v2(1593.76,2653.26) 1939.87,2999.38 U9.3@1939.87,3340.18 1939.87,3371.67 1966.45,3398.25 C23.2@2063.87,3398.25 ; R49.2@1679.9,2398.63 v2(1679.9,2444.15) ; v2(1751.3,2202) 1994.9,1958.4 2250.9,1958.4 2267.82,1941.48 R52.2@2383.52,1941.48
  Bottom Layer w10: v3(993.53,2065.23) 996.21,2062.55 1003.75,2062.55 v2(1034.53,2031.77)
  other v1: 543.9,2803.15 618.9,2879.15 473.16,2881.78
5V_1: C3.2 C4.2 C5.2 C6.2 J9.4 R1.2 R44.1 TP3.1 U2.2 U2.3 U3.2 U3.3 | length 476.7
  Top Layer w10: R44.1@-283.22,1659 -279.94,1662.28 J9.4@-48.7,1662.28 ; J9.4@151.3,1662.28 238.8,1749.79 R1.2@355.89,1749.79
5V_1_ADC_INPUT: "TP 8.1" D1.1 D1.2 R1.1 R2.2 U6.20 | length 1795.3
  Top Layer w10: R1.1@420.85,1749.79 420.85,1682.08 D1.2@420.3,1681.52 452.04,1681.52 457.9,1675.66 457.9,1644.12 ; R2.2@421.25,1531.67 421.25,1605.77 D1.1@420.3,1606.72 452.04,1606.72 457.9,1612.57 457.9,1644.12 ; v3(739.61,1648.67) 737.33,1646.4 460.18,1646.4 457.9,1644.12 ; v3(983.3,1528) 985.3,1530 1079.73,1530 1089.73,1540 1208.3,1540 1273.98,1605.69 1273.98,1787.54 1269.9,1791.63 1269.9,1940.3 1298.3,1968.7 1298.3,2061.98 1244.74,2115.54 1233.69,2115.54 1198.66,2150.57 U6.20@1198.17,2150.57
  Bottom Layer w10: v3(739.61,1648.67) 861.96,1526.32 868.26,1526.32 868.44,1526.14 870.3,1528 v3(983.3,1528)
5V_2: C1.2 C18.2 C21.2 C25.2 C27.2 C29.2 C31.2 C32.2 C33.2 C34.2 D5.4 J16.4 R26.2 R45.1 TP4.1 U1.1 U1.3 U4.2 U4.3 U5.2 U5.3 U7.6 U10.6 U11.6 U12.6 U13.6 | length 3146
  Top Layer w10: R45.1@-333.22,2543 -333.22,2552.84 -320.5,2565.56 -54.87,2565.56 J16.4@-48.7,2571.73 ; C25.2@724.45,712.32 v3@761.46,712.32 ; v3(761.46,706.35) v3@761.46,712.32 ; U11.6@807.72,712.95 807.4,712.64 761.77,712.64 v3@761.46,712.32 ; R26.2@1024.55,1325.93 1024.55,1059.33 v3(1185.43,898.44) ; D5.4@1692.35,3283.53 1693.88,3282 1761,3282 v3(1762,3281) ; C33.2@3201.06,3325 C33.2@3201.06,3318.11 ; v3(3202.37,3256.4) 3202.37,3316.8 C33.2@3201.06,3318.11 ; U7.6@3259.11,3245.98 3259.11,3272.79 3251.39,3280.5 3238.67,3280.5 C33.2@3201.06,3318.11
  Top Layer w15: C21.2@-858.28,715.75 -857.53,715 v2(-808.7,715) -808.33,715.37 -762,715.37 U10.6@-761.62,715.75 ; C27.2@2359.3,667.48 2411.96,667.48 2415.65,671.17 v2(2417.01,671.17) 2418.36,671.17 2423.78,665.75 U12.6@2467.72,665.75 ; U13.6@3076.61,1161.97 v2(3076.61,1109.85) 3076.61,1108.49 3079.4,1105.71 3079.4,1067.18 C29.2@3089.62,1056.97 ; U7.6@3259.11,3245.98 3270.92,3245.98 U7.6@3276.38,3251.43
  Bottom Layer w10: v3(1762,3281) 2224.91,3281 2226.42,3282.51 2258.25,3282.51 2259.77,3281 2708.39,3281 v4(2880,3109.39) ; v3(2823.54,1068.48) 3035.25,1068.48 v2(3076.61,1109.85) ; v4(3083.13,3093.53) 3140.24,3150.64 3147.94,3150.64 3202.37,3205.07 v3(3202.37,3256.4)
5V_2_ADC_INPUT: "TP 9.1" D9.1 D9.2 R26.1 R27.2 U6.15 | length 1107.9
  Top Layer w10: U6.15@1042.27,2122.73 1042.27,2122.24 1016.4,2096.38 1016.4,2080.1 1020.53,2075.98 1020.53,2053.12 975.39,2007.98 975.39,1716.41 984.3,1707.5 984.3,1615.31 956.3,1587.31 956.3,1459.14 R26.1@1024.55,1390.89 1090.99,1390.89 D9.2@1092.75,1392.65 1092.75,1426.6 1098.61,1432.46 1123.01,1432.46 1128.15,1437.6 1161.69,1437.6 1167.55,1431.74 D9.1@1167.55,1392.65 1168.46,1391.74 R27.2@1244.78,1391.74
5V_LOAD1_1: J1.1 U2.6 U2.7 U2.8